# Altium PCB SectionE_BreakOut.PcbDoc
Units mm, origin at the board's own origin, x right, y up, seen from the top; angles counter-clockwise.
Board outline 76.4 x 53.1 mm, 2 copper layers (Top Layer, Bottom Layer), stack 1.569 mm thick; 56 components, 43 nets, 172 pads, 22 vias.
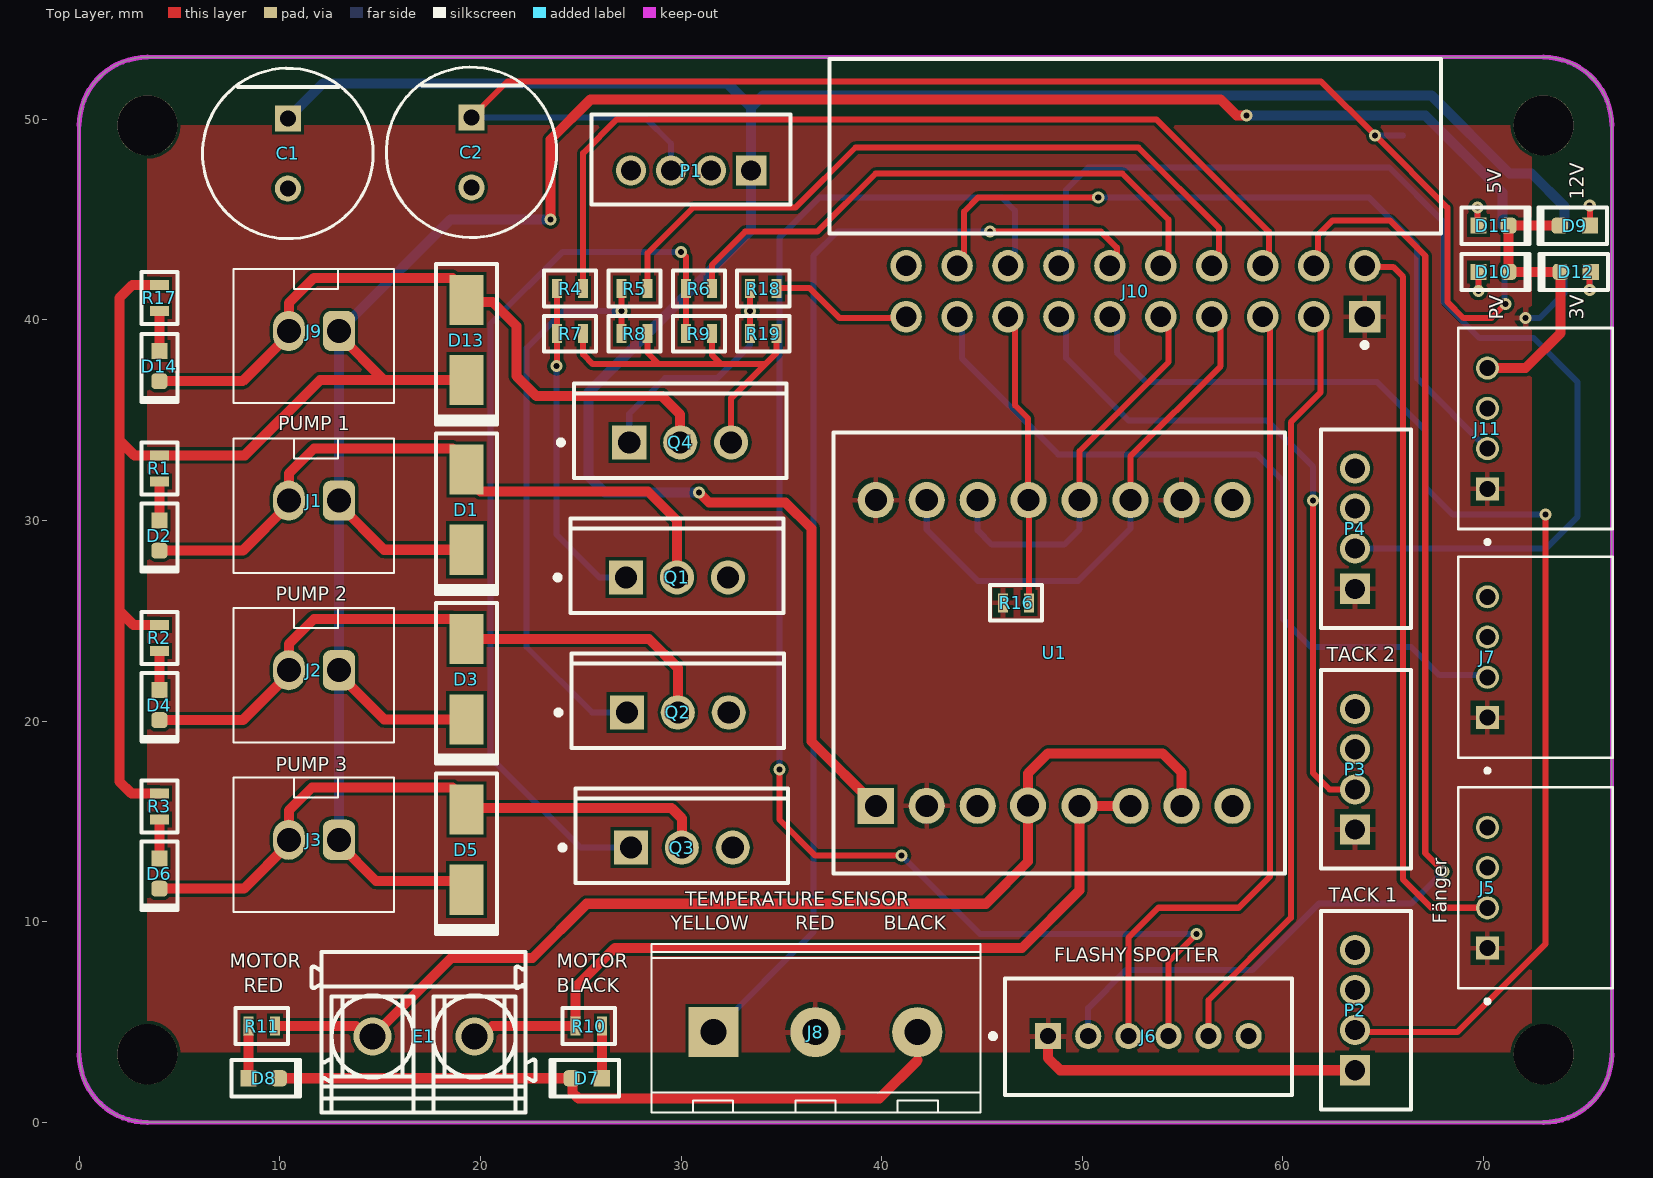
[diagram p0: Top Layer view]
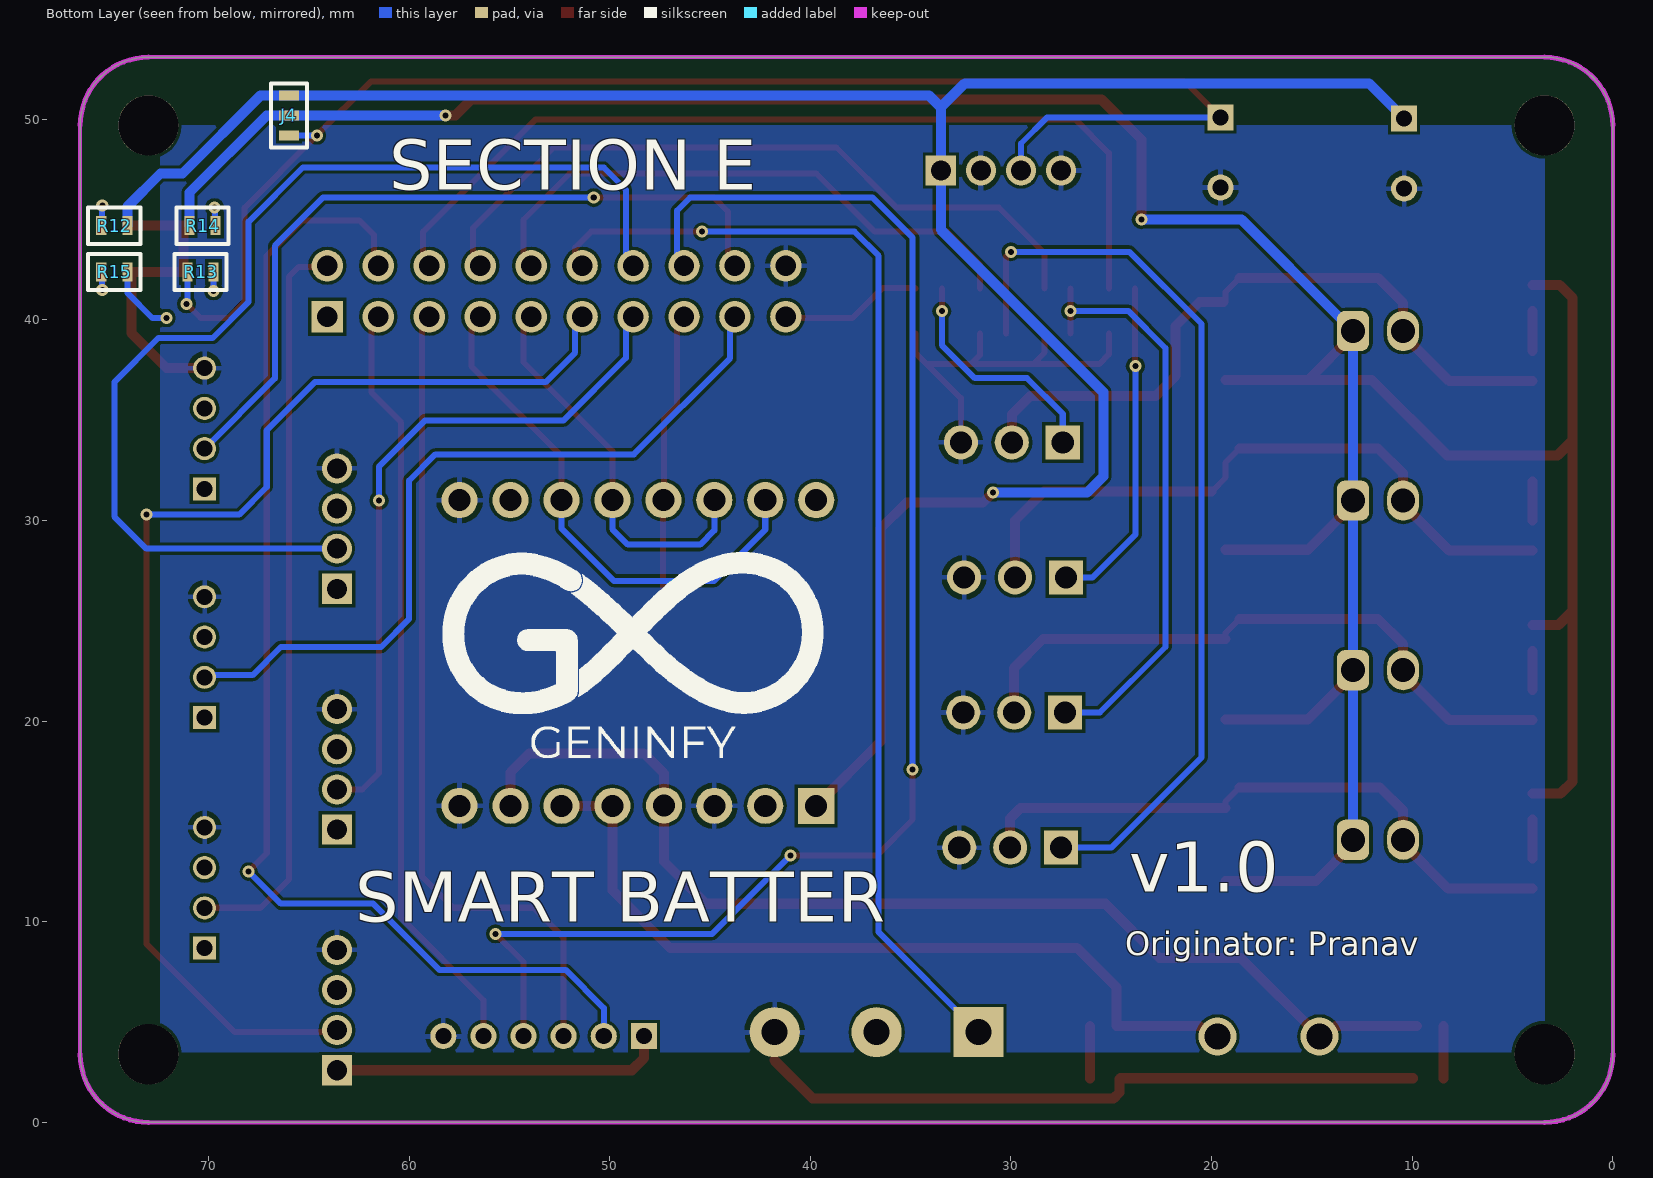
[diagram p1: Bottom Layer view, seen from below]

## Layer stack, top to bottom
Top Solder: solder mask 0.0254, SM-001, Dk 4
Top Layer: signal copper 0.035
Dielectric 1: core 1.4986, Core-043, Dk 4.3
Bottom Layer: signal copper 0.035
Bottom Solder: solder mask 0.0254, SM-001, Dk 4

## Board outline
0,3.4 0,49.7 cw(c3.4,49.7) 3.4,53.1 73,53.1 cw(c73,49.7) 76.4,49.7 76.4,3.4 cw(c73,3.4) 73,0 3.4,0 cw(c3.4,3.4)

## Design rules (kind name [scope] priority, off if disabled: settings)
Clearance [All] p1: gap=0.16 ignorepadtopadclearanceinfootprint=FALSE
HoleSize [All] p1: absolutevalues=TRUE maxlimit=4 minlimit=0.025 maxpercent=80.000 minpercent=20.000
MinimumSolderMaskSliver [All] p1: minsoldermaskwidth=0.09
PolygonConnect [All] p1: connectstyle=Relief reliefconductorwidth=0.254 reliefentries=4 polygonreliefangle="90 Angle" airgapwidth=0.254
RoutingVias [All] p1: holewidth=0.711 width=1.27 viastyle="Through Hole" minholewidth=0.711 minwidth=1.27 maxholewidth=0.711 maxwidth=1.27
SilkToSilkClearance [All] p1: silktosilkclearance=0.16
SilkToSolderMaskClearance [IsPad] p1: minsilkscreentomaskgap=0.16 clearancetoexposedcopper=TRUE
SolderMaskExpansion [All] p1: expansion=0.102 istentingtop=FALSE
Width [All] p1: maxlimit=1 minlimit=0.16 preferedwidth=0.3
26 further rules are at their usual default settings.

## Components (designator, comment, footprint, x,y, rotation, side; value= is the part's Value field where it differs from the comment)
C1 "EEU-FC1V221L" FP-EEU-FC1V221L-MFG#1 10.4,48.3 r270 top value=220uF
C2 "EEU-FC1V221L" FP-EEU-FC1V221L-MFG#2 19.554,48.354 r270 top value=220uF
D1 "1N4007" "M7 1N4007 SMA" 19.3,30.546 r270 top
D2 "LED - Orange" LED0603-Orange 4,29.25 r90 top
D3 "1N4007" "M7 1N4007 SMA" 19.3,22.091 r270 top
D4 "LED - Orange" LED0603-Orange 4,20.8 r90 top
D5 "1N4007" "M7 1N4007 SMA" 19.3,13.6 r270 top
D6 "LED - Orange" LED0603-Orange 4,12.4 r90 top
D7 "LED - Orange" LED0603-Orange 25.3,2.2 r0 top
D8 "LED - Orange" LED0603-Orange 9.2,2.2 r180 top
D9 "LED - Orange" LED0603-Orange 74.554,44.7 r0 top
D10 "LED - Orange" LED0603-Orange 70.5,42.4 r180 top
D11 "LED - Orange" LED0603-Orange 70.5,44.7 r180 top
D12 "LED - Orange" LED0603-Orange 74.6,42.4 r0 top
D13 "1N4007" "M7 1N4007 SMA" 19.3,39 r270 top
D14 "LED - Orange" LED0603-Orange 4,37.7 r90 top
E1 "1760490000" PM_5_08_90_02 17.166,4.483 r0 top
J1 "JST-XH 2P" "JST-XH 2P" 11.7,30.996 r0 top
J2 "JST-XH 2P" "JST-XH 2P" 11.7,22.541 r0 top
J3 "JST-XH 2P" "JST-XH 2P" 11.7,14.087 r0 top
J4 "Solder Jumper" "Solder Jumper" 66,50.2 r270 bottom
J5 "440055-4" TE_440055-4 70.2,8.684 r90 top
J6 "1735446-6" FP-1735446-6-MFG 53.3,4.27 r180 top
J7 "440055-4" TE_440055-4 70.2,20.181 r90 top
J8 "Screw Terminal" "Screw Terminal 3P 5.08MM" 36.7,4.5 r0 top
J9 "JST-XH 2P" "JST-XH 2P" 11.7,39.45 r0 top
J10 "SFH11-PBPC-D10-RA-BK" FP-SFH11-PBPC-D10-RA-BK-MFG 52.65,48.55 r180 top
J11 "440055-4" TE_440055-4 70.2,31.58 r90 top
P1 "B4B-PH-K-S(LF)(SN)" JST-B4B-PH-K-S_V 30.5,48 r180 top
P2 "B4B-PH-K-S(LF)(SN)" JST-B4B-PH-K-S_V 64.15,5.6 r90 top
P3 "B4B-PH-K-S(LF)(SN)" JST-B4B-PH-K-S_V 64.15,17.6 r90 top
P4 "B4B-PH-K-S(LF)(SN)" JST-B4B-PH-K-S_V 64.15,29.6 r90 top
Q1 "IRF540" VISH-TO-220AB-3_A 29.8,27.167 r90 top
Q2 "IRF540" VISH-TO-220AB-3_A 29.84,20.433 r90 top
Q3 "IRF540" VISH-TO-220AB-3_A 30.04,13.7 r90 top
Q4 "IRF540" VISH-TO-220AB-3_A 29.96,33.9 r90 top
R1 "68R" "68R 0603" 4,32.604 r90 top
R2 "68R" "68R 0603" 4,24.154 r90 top
R3 "68R" "68R 0603" 4,15.754 r90 top
R4 "1k" "R0603 1k" 24.467,41.561 r180 top
R5 "1k" "R0603 1k" 27.678,41.561 r180 top
R6 "1k" "R0603 1k" 30.889,41.561 r180 top
R7 "1k" "R0603 1k" 24.467,39.317 r0 top
R8 "1k" "R0603 1k" 27.678,39.317 r0 top
R9 "1k" "R0603 1k" 30.889,39.317 r0 top
R10 "68R" "68R 0603" 25.4,4.8 r180 top
R11 "68R" "68R 0603" 9.1,4.8 r0 top
R12 "68R" "68R 0603" 74.7,44.7 r180 bottom
R13 "68R" "68R 0603" 70.4,42.4 r0 bottom
R14 "68R" "68R 0603" 70.3,44.7 r0 bottom
R15 "68R" "68R 0603" 74.7,42.4 r180 bottom
R16 "1k" "R0603 1k" 46.7,25.9 r180 top
R17 "68R" "68R 0603" 4,41.1 r90 top
R18 "1k" "R0603 1k" 34.1,41.561 r180 top
R19 "1k" "R0603 1k" 34.1,39.317 r0 top
U1 "Female Headers" TB6612FNG 48.6,23.4 r90 top

## Footprints (in the part's own frame and the unit in brackets; to place one, negate y for a bottom-side part, rotate by r counter-clockwise, add the part's x,y. Pads: shape width x height; smd on the part's side, far side on the other; paste and mask are expansions set on the pad)
"68R 0603" [mm]
  rect 0.5x0.95 smd: 1(-0.65,0) 2(0.65,0)
  silkscreen extent -1.3,-0.9 1.3,0.9, body extent -0.8,-0.4 0.8,0.4, height 0.45
FP-1735446-6-MFG [mm]
  rect 1.3x1.3 hole 0.8 paste-1000 mask+0: 1(5,-0.03)
  round 1.3 hole 0.8 paste-1000 mask+0: 2(3,-0.03) 3(1,-0.03) 4(-1,-0.03) 5(-3,-0.03) 6(-5,-0.03)
  silkscreen extent -7.15,-2.9 7.87,2.9, body extent -7.25,-3 7.25,3, height 0.25
FP-EEU-FC1V221L-MFG#1 [mm]
  rect 1.3x1.3 hole 0.8 paste-1000 mask+0: 1(-1.75,0)
  round 1.3 hole 0.8 paste-1000 mask+0: 2(1.75,0)
  silkscreen extent -4.25,-4.25 4.25,4.25, body extent -4.35,-4.35 4.35,4.35, height 0.25
FP-EEU-FC1V221L-MFG#2 [mm]
  rect 1.3x1.3 hole 0.8: 1(-1.75,0)
  round 1.3 hole 0.8: 2(1.75,0)
  silkscreen extent -4.25,-4.25 4.25,4.25, body extent -4.35,-4.35 4.35,4.35, height 0.25
FP-SFH11-PBPC-D10-RA-BK-MFG [mm]
  rect 1.57x1.57 hole 1.02 paste-1000 mask+0: 1(-11.43,8.39)
  round 1.57 hole 1.02 paste-1000 mask+0: 2(-11.43,5.85) 3(-8.89,8.39) 4(-8.89,5.85) 5(-6.35,8.39) 6(-6.35,5.85) 7(-3.81,8.39) 8(-3.81,5.85) 9(-1.27,8.39) 10(-1.27,5.85) 11(1.27,8.39) 12(1.27,5.85) 13(3.81,8.39) 14(3.81,5.85) 15(6.35,8.39) 16(6.35,5.85) 17(8.89,8.39) 18(8.89,5.85) 19(11.43,8.39) 20(11.43,5.85)
  silkscreen extent -15.24,-4.45 15.24,9.92, body extent -15.34,-4.55 15.34,9.28, height 0.25
JST-B4B-PH-K-S_V [mm] "Connector, 4-Leads, Body 9.9x4.5mm, Pitch 2mm"
  rect 1.5x1.5 hole 1: 1(-3,0.55)
  round 1.5 hole 1: 2(-1,0.55) 3(1,0.55) 4(3,0.55)
  silkscreen extent -4.95,-2.25 4.95,2.25, body extent -4.95,-2.25 4.95,2.25, height 6
"JST-XH 2P" [mm]
  rrect50% 1.6x2 hole 1.2: 1(1.25,0)
  oval 1.6x2 hole 1.2: 2(-1.25,0)
  silkscreen extent -4,-3.6 4,3.1, body extent -3.7,-3.3 3.7,2.8, height 7.01
LED0603-Orange [mm]
  rrect50% 0.8x0.8 smd: 1(-0.75,0)
  rect 0.8x0.8 smd: 2(0.75,0)
  silkscreen extent -1.8,-0.9 1.6,1, body extent -0.8,-0.4 0.8,0.4, height 0.7
"M7 1N4007 SMA" [mm]
  rect 2.5x1.7 smd: 1(-2,0) 2(2,0)
  silkscreen extent -3.8,-1.6 4.2,1.52, body extent -2.6,-1.3 2.6,1.3, height 2.42
PM_5_08_90_02 [mm] "PM 5.08/02/90 3.5"
  round 1.9 hole 1.3: A1(-2.54,-0.2) A2(2.54,-0.2)
  silkscreen extent -5.58,-4 5.58,4, body extent -5.58,-4 5.58,4, height 10.01
"R0603 1k" [mm]
  rect 0.5x0.95 smd: 1(-0.65,0) 2(0.65,0)
  silkscreen extent -1.3,-0.9 1.3,0.89, body extent -0.8,-0.4 0.8,0.4, height 0.45
"Screw Terminal 3P 5.08MM" [mm]
  rect 2.5x2.5 hole 1.3: 1(-5.08,0)
  round 2.5 hole 1.3: 2(0,0) 3(5.08,0)
  silkscreen extent -8.18,-4 8.22,4.4, body extent -8.12,-3.8 8.12,4.2, height 10.01
"Solder Jumper" [mm]
  rect 0.5x1 smd: 1(-1,0) 2(0,0) 3(1,0)
  silkscreen extent -1.6,-0.9 1.6,0.9
TB6612FNG [mm]
  rect 1.8x1.8 hole 1.1: 1(-7.62,8.89)
  round 1.8 hole 1.1: 2(-7.62,6.35) 3(-7.62,3.81) 4(-7.6,1.3) 5(-7.62,-1.27) 6(-7.62,-3.81) 7(-7.62,-6.35) 8(-7.62,-8.89) 9(7.62,-8.89) 10(7.62,-6.35) 11(7.62,-3.81) 12(7.62,-1.27) 13(7.62,1.27) 14(7.62,3.81) 15(7.62,6.35) 16(7.62,8.89)
  silkscreen extent -11,-11.5 11,11, body extent -10.35,-10.69 10.55,10.29, height 13.55
TE_440055-4 [mm]
  rect 1.15x1.15 hole 0.8: 1(0,0)
  round 1.15 hole 0.8: 2(2.007,0) 3(4.013,0) 4(6.02,0)
  silkscreen extent -2.75,-6.25 8.02,1.45
VISH-TO-220AB-3_A [mm] "FM, 3-Leads, Body 10.55x4.65mm, Pitch 2.54mm"
  rect 1.7x1.7 hole 1.1: 1(0,2.54)
  round 1.7 hole 1.1: 2(0,0) 3(0,-2.54)
  silkscreen extent -1.77,-5.3 2.94,6.07, body extent -1.74,-5.28 2.91,5.28, height 19.31

## Part data
C1 C2: library part CMP-05427-000010-1, "CAP ALUM 220UF 20% 35V RADIAL", Capacitance=220uF, Leakage Current=77uA, Manufacturer="Panasonic Electronic Components", Package=0, Ripple Current=730mA, Temperature="-55°C to +105°C", Temperature Range High=+105°C, Temperature Range Low=-55°C, Tolerance=20%, Voltage Rating=35V, Automotive=Yes, Automotive Grade="Grade 2", Category=Cap, ComponentLink2Description=Datasheet, ComponentLink2URL=https://industrial.panasonic.com/cdbs/www-data/pdf/RDF0000/ABA0000C1209.pdf, Device Class L1="Passive Components", Device Class L2=Capacitors, Device Class L3="Aluminum Electrolytic Capacitors", Digikey Description="CAP ALUM 220UF 20% 35V RADIAL", Dissipation Factor=12%, Esr=0.085Ω, Height=16.5mm, Lead Free=Yes, Life=2000Hours, Manufacturer Part Number=EEU-FC1V221L, Material=Aluminum, Mouser Description="Capacitor; Aluminum Electrolytic; Fc Radial Elec Cap 220uF 35V", Octopart=https://octopart.com/eeu-fc1v221l-panasonic-39478519, RoHS=TRUE
D1 D3 D5 D13: library part 1N4007FLTR, "1000V 1A Rectifier", Manufacturer="Sangdest Microelectronics", Supplier Part Number 1=1655-1N4007FLCT-ND, Manufacturer Part Number=1N4007FLTR, Pricing 1="1=0.10000, 10=0.06600, 100=0.03120, 500=0.01848, 1000=0.01241 (USD)", RoHS=No, Stock 1=2517, Supplier 1=Digi-Key
D2 D4 D6 D7 D8 D9 D10 D11 D12 D14: library part LTST-C191KFKT, "LED ORANGE CLEAR SMD", Case Code (Imperial)=0603, Case Code (Metric)=1608, Color=Orange, Forward Current=30mA, Forward Voltage=2V, Lens Color=Colorless, Manufacturer="Vishay Lite-On", Max Operating Temperature=85°C, Min Operating Temperature=-55°C, Package Quantity=1, Power Dissipation=75mW, Reverse Voltage=5V, Supplier Part Number 1=160-1445-1-ND, Test Current=20mA, Case/Package=0603, Category=LEDs, ComponentLink1Description=https://datasheet.ciiva.com/2109/ltst-c191kfkt-2109968.pdf?src-supplier=Digi-Key, ComponentLink1URL=https://datasheet.ciiva.com/2109/ltst-c191kfkt-2109968.pdf?src-supplier=Digi-Key, ComponentLink2Description=https://datasheet.ciiva.com/12400/100-ltst-c191kfkt-39904-12400811.pdf?src-supplier=Mouser, ComponentLink2URL=https://datasheet.ciiva.com/12400/100-ltst-c191kfkt-39904-12400811.pdf?src-supplier=Mouser, ComponentLink3Description=https://datasheet.ciiva.com/11775/0900766b80dc02b0-11775613.pdf?src-supplier=RSComponents, ComponentLink3URL=https://datasheet.ciiva.com/11775/0900766b80dc02b0-11775613.pdf?src-supplier=RSComponents, ComponentLink4Description=https://datasheet.ciiva.com/15201/getdatasheetpartid-631075-15201391.pdf?src-supplier=Verical, ComponentLink4URL=https://datasheet.ciiva.com/15201/getdatasheetpartid-631075-15201391.pdf?src-supplier=Verical, ComponentLink5Description=https://datasheet.ciiva.com/2109/s-110-ltst-c191kfkt-2109969.pdf?src-supplier=Digi-Key, ComponentLink5URL=https://datasheet.ciiva.com/2109/s-110-ltst-c191kfkt-2109969.pdf?src-supplier=Digi-Key, Depth=0.8mm, Dominant Wavelength=605nm, Height=0.55mm, Illumination Color=Orange, Lead Free="Lead Free", Length=1.6mm, Lens Style=Diffused,Colorless,Rectangular, Lens Transparency=Clear, Luminous Intensity=90mcd, Manufacturer Part Number=LTST-C191KFKT, Mount="Surface Mount", Number of Elements=1, Number of LEDs=1, Number of Pins=2, Packaging="Tape and Reel", Power Rating=75mW, Pricing 1="1=0.24000, 10=0.17900, 100=0.08460, 500=0.05640, 1000=0.04418, 2500=0.04324 (USD)", Radiation Hardening=No, RoHS=Yes, Stock 1=92562, Supplier 1=Digi-Key, Viewing Angle=130°, Wavelength=611nm, Width=0.8mm
E1: library part CMP-1559-01627-1, "OMNIMATE Signal - series PM", Colour=Orange, Manufacturer=Weidmueller, Rated_current_use_group_B_UL_1059="15 A", Rated_voltage_for_surge_voltage_class_pollution_degree_II_2="600 V", Rated_voltage_use_group_B_UL_1059="300 V", UL_94_flammability_rating=V-0, ComponentLink1Description="Manufacturer URL", ComponentLink1URL=http://www.weidmueller.com/, ComponentLink2Description="URL Link1", ComponentLink2URL=http://catalog.weidmueller.com/catalog/Start.do?localeId=en&ObjectID=1760490000, Contact_material=Cu-Leg, Contact_surface=tinned, Insulating_material="Wemid (PA)", Mounting_onto_the_PCB="Solder connection", No_of_poles=2, PackageReference=PM_5_08_90_02, Packaging=Box, PartNumber=1760490000, Pitch_inch="0,2 inch", Pitch_mm="5,08 mm", Qty="500 PCS", Revision=V1, Short_text_for_material="PM 5.08/02/90 3.5SN OR BX", Side_termination_characteristic="closed side", Solder_pin_length_mm="3,5 mm", Solid_max_H05_07_V_U="2,5 mm²", Solid_min_H05_07_V_U="0,13 mm²", Wire_cross_section_AWG_max_UL_1059="AWG 14", Wire_cross_section_AWG_min_UL_1059="AWG 26"
J1 J2 J3 J9: library part B2B-XH-A(LF)(SN), "JST-XH 2 POS 2.5mm Solder ST Thru-Hole Box", Color=Natural, Contact Resistance=20mR, Current Rating=3A, Housing Color=White, Insulation Resistance=1GR, Manufacturer=JST, Max Operating Temperature=85°C, Max Voltage Rating (AC)=250V, Min Operating Temperature=-25°C, Supplier Part Number 1=1516276, Category="FFC / FPC", ComponentLink1Description=https://datasheet.ciiva.com/26894/getdatasheetpartid-640357-26894434.pdf?src-supplier=Verical, ComponentLink1URL=https://datasheet.ciiva.com/26894/getdatasheetpartid-640357-26894434.pdf?src-supplier=Verical, ComponentLink2Description=https://datasheet.ciiva.com/11746/0900766b8082653e-11746979.pdf?src-supplier=RSComponents, ComponentLink2URL=https://datasheet.ciiva.com/11746/0900766b8082653e-11746979.pdf?src-supplier=RSComponents, ComponentLink3Description=https://datasheet.ciiva.com/26894/getdatasheetpartid-385291-26894760.pdf?src-supplier=Verical, ComponentLink3URL=https://datasheet.ciiva.com/26894/getdatasheetpartid-385291-26894760.pdf?src-supplier=Verical, ComponentLink4Description=https://datasheet.ciiva.com/8052/5448-8052024.pdf?src-supplier=Element14, ComponentLink4URL=https://datasheet.ciiva.com/8052/5448-8052024.pdf?src-supplier=Element14, ComponentLink5Description=https://datasheet.ciiva.com/20207/523653-20207167.pdf?src-supplier=Rapid+Electronics, ComponentLink5URL=https://datasheet.ciiva.com/20207/523653-20207167.pdf?src-supplier=Rapid+Electronics, Connector Type="Male Pin", Contact Material=Brass, Contact Plating=Tin,Copper,Lead, Depth=5.75mm, Fastening Type=Detent, Housing Material=Polyamide, Lead Free="Lead Free", Lead Pitch=2.5mm, Length=7.4mm, Manufacturer Part Number=B2B-XH-A(LF)(SN), Max Current Rating=3A, Max Voltage Rating (DC)=250V, Mount="Through Hole", Number Of Contacts=2, Number of Positions=2, Number Of Rows=1, Orientation=Straight, Packaging=Bulk, Pitch=2.5mm, REACH SVHC="No SVHC", RoHS=Yes, Stock 1=165899, Supplier 1=Element14, Termination=Solder, Voltage Rating=250V, Voltage Rating (AC)=250V, Wire/Cable Gauge=22AWG
J5 J7 J11: "2.0MM,HDR,4POS,R/A", Package=None, Availability=Unavailable, Centerline_Pitch="2 mm[.079 in]", DigiKey-Purchase-URL=https://snapeda.com/shop?store=DigiKey&id=2374829, EU_RoHS_Compliance=Compliant, MF="TE Connectivity", Mouser-Purchase-URL=https://snapeda.com/shop?store=Mouser&id=2374829, MP=440055-4, Number_of_Positions=4, Price=None, Product_Type=Connector, SnapEDA_Link=https://www.snapeda.com/parts/440055-4/TE%20Connectivity%20AMP%20Connectors/view-part/2374829/?ref=snap
J6: library part CMP-03369-000087-1, "CONN HEADER VERT 6POS 2MM", Current Rating=3A, Manufacturer=TE, Temperature="-25°C to +85°C", Temperature Range High=+85°C, Temperature Range Low=-25°C, Voltage Rating=100V, Automotive=No, Category=Conn, ComponentLink2Description=Datasheet, ComponentLink2URL=https://www.te.com/usa-en/product-1735446-6.html, Conn Gender=Male, Conn Orientation=Vertical, Contact Material=Tin,Nickel, Device Class L1=Connectors, Device Class L2="Headers and Wire Housings", Device Class L3=unset, Digikey Description="CONN HEADER VERT 6POS 2MM", Height=6.37mm, Lead Free=Yes, Manufacturer Part Number=1735446-6, Mouser Description="Headers & Wire Housings 6 POS HDR VERT 2.0mm", Number Of Contacts=6, Number Of Rows=1, Octopart=https://octopart.com/1735446-6-te+connectivity-42205942, Package=1735446-6, Pitch=2mm, RoHS=TRUE
J8: library part OSTTC032162, "TERM BLK 3P SIDE ENT 5.08MM PCB", Color=Blue, Current=15A, Flammability Rating="UL94 V-0", Manufacturer="On-Shore Technology", Max Operating Temperature=105°C, Min Operating Temperature=-30°C, Supplier Part Number 1=ED2610-ND, Voltage=300V, Category="Terminal Blocks", ComponentLink1Description=https://datasheet.ciiva.com/823/osttcxx2162-823568.pdf?src-supplier=Digi-Key, ComponentLink1URL=https://datasheet.ciiva.com/823/osttcxx2162-823568.pdf?src-supplier=Digi-Key, ComponentLink2Description=https://datasheet.ciiva.com/19458/2120655-19458972.pdf?src-supplier=Jameco, ComponentLink2URL=https://datasheet.ciiva.com/19458/2120655-19458972.pdf?src-supplier=Jameco, Contact Material=Brass, Contact Plating=Tin, Height=10mm, Housing Color=Blue, Housing Material=Thermoplastic, Lead Free="Lead Free", Length=15.2mm, Manufacturer Part Number=OSTTC032162, Max Current Rating=15A, Mount="Through Hole", Number Of Contacts=3, Number of Levels=1, Number of Positions=3, Number of Positions Per Level=3, Number Of Rows=1, Packaging=Bulk, Pitch=0.2inch, Plating=Steel, Pricing 1="1=0.85000, 10=0.53000, 25=0.45400, 50=0.40800, 100=0.39950, 250=0.34000, 500=0.32300, 1000=0.28900, 5000=0.22610 (USD)", RoHS=Yes, Stock 1=3645, Supplier 1=Digi-Key, Termination=Screw, Width=7.6mm, Wire Gauge (Max)=22AWG, Wire Gauge (Min)=14AWG
J10: library part CMP-25680-000003-1, "CONN HDR 20POS 0.1 GOLD PCB R/A", Current Rating=3A, Manufacturer=Sullins, Temperature="-40°C to +105°C", Temperature Range High=+105°C, Temperature Range Low=-40°C, Automotive=No, Category=Conn, ComponentLink2Description=Datasheet, ComponentLink2URL=https://s3.amazonaws.com/catalogspreads-pdf/PAGE123%20.100%20SFH11%20SERIES%20FEMALE%20HDR%20ST%20RA.pdf, Conn Gender=Female, Conn Orientation="Right Angle", Contact Material=Gold,Nickel, Device Class L1=Connectors, Device Class L2="Headers and Wire Housings", Device Class L3=unset, Digikey Description="CONN HDR 20POS 0.1 GOLD PCB R/A", Footprint Url=https://drawings-pdf.s3.amazonaws.com/11161.pdf, Height=7.2mm, Is Female=yes, Lead Free=Yes, Manufacturer Part Number=SFH11-PBPC-D10-RA-BK, Number Of Contacts=20, Number Of Rows=2, Octopart=https://octopart.com/sfh11-pbpc-d10-ra-bk-sullins-12270496, Package=SFH11-PBPC-D10-RA-BK, Pitch=2.54mm, RoHS=TRUE
P1 P2 P3 P4: library part CMP-2000-05165-1, "Male Header, Pitch 2 mm, 1 x 4 Position, Height 6 mm, Tail Length 3.4 mm, -25 to 85 degC, RoHS, Bulk", Manufacturer=JST, Datasheet URL=http://datasheet.octopart.com/B4B-PH-K-S%28LF%29%28SN%29-JST-datasheet-10558886.pdf, Datasheet Version=Apr-09, Manufacturer URL=http://www.jst.com/home2.html, No of Positions=4, Pitch=2mm, Style/Orientation=StraightHeader/Plug, Termination=Crimp, Type=ShroudedHeader
Q1 Q2 Q3 Q4: library part CMP-2000-06461-1, "Power MOSFET, 100 VDS, -55 to 175 degC, 3-Pin TO-220AB, RoHS, Tube", Id - Continuous Drain Current=28A, Manufacturer=Vishay, Maximum Operating Temperature=+175C, Minimum Operating Temperature=-55C, Package / Case=TO-220-3, Package Description="3-Pin Flange Mount, Body 10.275 x 4.45 mm, Pitch 2.54 mm", Package Reference=TO-220AB-3, Pd - Power Dissipation=150W, Rds On - Drain-Source Resistance=77mOhms, Vds - Drain-Source Breakdown Voltage=100V, Vgs - Gate-Source Voltage=20V, &lt;PCN&gt;=http://www.mouser.com/PCN/Vishay_SIL_0182015.pdf, Brand=VishaySemiconductors, Channel Mode=Enhancement, Configuration=Single, Datasheet URL=http://www.vishay.com/docs/91021/91021.pdf, Datasheet Version="Rev. B, 03/2011", Factory Pack Quantity=50, Fall Time=43ns, Height=9.01mm, Length=10.51mm, Manufacturer URL=http://www.vishay.com/, Mounting Style=ThroughHole, Mounting Technology=ThroughHole, Number of Channels=1Channel, Package URL=http://www.vishay.com/docs/71195/to220ab.pdf, Packaging=Tube, Product Category=MOSFET, Rise Time=44ns, RoHS=NoRoHSVersionAvailable, Technology=Si, Transistor Polarity=N-Channel, Transistor Type=1N-Channel, Typical Turn-Off Delay Time=53ns, Typical Turn-On Delay Time=11ns, Unit Weight=0.211644oz, Width=4.7mm
R1 R2 R3 R10 R11 R12 R13 R14 R15 R17: library part CRGP0603F68R, "CRGP 0603 68R 1%", Case Code (Imperial)=0603, Case Code (Metric)=1608, Manufacturer="TE Connectivity", Max Operating Temperature=155°C, Max Power Dissipation=250mW, Min Operating Temperature=-55°C, Resistor Type="Thick Film", Supplier Part Number 1=A130402CT-ND, Temperature Coefficient=200ppm/°C, Tolerance=1%, Case/Package=0603, Category="Chip SMD Resistors", ComponentLink1Description=https://www.te.com/commerce/DocumentDelivery/DDEController?Action=srchrtrv&amp;DocNm=9-1773463-9&amp;DocType=DS&amp;DocLang=English&src-supplier=Digi-Key, ComponentLink1URL=https://www.te.com/commerce/DocumentDelivery/DDEController?Action=srchrtrv&amp;DocNm=9-1773463-9&amp;DocType=DS&amp;DocLang=English&src-supplier=Digi-Key, Manufacturer Part Number=CRGP0603F68R, Number of Terminations=2, Packaging="Tape and Reel", Pricing 1="1=0.14000, 10=0.11400, 100=0.04470, 1000=0.01870, 2500=0.01714 (USD)", Resistance=68R, RoHS=No, Stock 1=49308, Supplier 1=Digi-Key
R4 R5 R6 R7 R8 R9 R16 R18 R19: library part CRGCQ0603F1K0, "0603 1k Ohm 1% 1/10W", Case Code (Imperial)=0603, Case Code (Metric)=1608, Manufacturer="TE Connectivity", Max Operating Temperature=155°C, Max Power Dissipation=100mW, Min Operating Temperature=-55°C, Resistance=1kR, Resistor Type="Thick Film", Supplier Part Number 1=A129688CT-ND, Temperature Coefficient=100ppm/°C, Tolerance=1%, Case/Package=0603, Category="Chip SMD Resistors", ComponentLink1Description=https://www.te.com/commerce/DocumentDelivery/DDEController?Action=srchrtrv&DocNm=1773204-3&DocType=DS&DocLang=English&src-supplier=Digi-Key, ComponentLink1URL=https://www.te.com/commerce/DocumentDelivery/DDEController?Action=srchrtrv&DocNm=1773204-3&DocType=DS&DocLang=English&src-supplier=Digi-Key, ComponentLink2Description=https://4donline.ihs.com/images/VipMasterIC/IC/TYEL/TYEL-S-A0004929575/TYEL-S-A0004929575-1.pdf?hkey=52A5661711E402568146F3353EA87419&src-supplier=Farnell, ComponentLink2URL=https://4donline.ihs.com/images/VipMasterIC/IC/TYEL/TYEL-S-A0004929575/TYEL-S-A0004929575-1.pdf?hkey=52A5661711E402568146F3353EA87419&src-supplier=Farnell, ComponentLink3Description=https://www.te.com/commerce/DocumentDelivery/DDEController?Action=srchrtrv&amp;DocNm=1773204-3&amp;DocType=DS&amp;DocLang=English&src-supplier=Digi-Key, ComponentLink3URL=https://www.te.com/commerce/DocumentDelivery/DDEController?Action=srchrtrv&amp;DocNm=1773204-3&amp;DocType=DS&amp;DocLang=English&src-supplier=Digi-Key, ComponentLink4Description=https://4donline.ihs.com/images/VipMasterIC/IC/TYEL/TYEL-S-A0004929575/TYEL-S-A0004929575-1.pdf?hkey=52A5661711E402568146F3353EA87419&src-supplier=Element14, ComponentLink4URL=https://4donline.ihs.com/images/VipMasterIC/IC/TYEL/TYEL-S-A0004929575/TYEL-S-A0004929575-1.pdf?hkey=52A5661711E402568146F3353EA87419&src-supplier=Element14, ComponentLink5Description=https://4donline.ihs.com/images/VipMasterIC/IC/TYEL/TYEL-S-A0004929575/TYEL-S-A0004929575-1.pdf?hkey=52A5661711E402568146F3353EA87419&src-supplier=Newark, ComponentLink5URL=https://4donline.ihs.com/images/VipMasterIC/IC/TYEL/TYEL-S-A0004929575/TYEL-S-A0004929575-1.pdf?hkey=52A5661711E402568146F3353EA87419&src-supplier=Newark, Features="Moisture Resistant,Automotive AEC-Q200", Manufacturer Part Number=CRGCQ0603F1K0, Number of Terminations=2, Packaging="Cut Tape", Pricing 1="1=0.10000, 10=0.02700, 100=0.01090, 1000=0.00490, 2500=0.00426 (USD)", RoHS=No, Stock 1=37973, Supplier 1=Digi-Key
U1: library part "TB6612FNG Female", "Motor Driver"

## Free pads (board coordinates)
  round 3 hole 3 unplated: ""(3.4,3.4) ""(3.4,49.7) ""(73,3.4) ""(73,49.7)

## Via types
v1: diameter 0.6, hole 0.3, Top Layer to Bottom Layer, tented both sides, 22 vias

## Nets (pads, with @x,y where several pads share a name; then routed paths per layer and width w, separated by ;. In a path a pad name is that pad's centre, name@x,y a point inside that pad or via, vN(x,y) a via of type N, cw(c..) or ccw(c..) an arc to the next point about the centre after c; other vN are vias at no path point)
+3V3: J5.1 J6.1 J7.1 J8.2 J10.1 J11.1 P2.1 P3.1 P4.1 R15.2 R16.2 U1.2 U1.10 U1.16 | length 20.2
  Top Layer w0.5: J6.1 48.3,3.2 48.9,2.6 P2.1
  Bottom Layer w0.3: v1(72.1,40.1) 72.8,40.1 74.05,41.35 R15.2
+5V: C2.1 J4.3 P1.3 R13.2 | length 75.1
  Top Layer w0.3: C2.1 21.35,51.9 61.9,51.9 v1(64.6,49.2) 68.2,45.6 68.2,40.9 69,40.1 70.4,40.1 v1(71.1,40.8)
  Bottom Layer w0.3: C2.1 28.196,50.104 29.5,48.8 P1.3 ; v1(64.6,49.2) J4.3 ; R13.2 71.05,40.85 v1(71.1,40.8)
+12V: C1.1 J4.1 P1.1 R12.2 U1.1 | length 117.5
  Top Layer w0.5: v1(30.9,31.4) 31.4,30.9 35.2,30.9 36.5,29.6 36.5,18.99 U1.1
  Bottom Layer w0.5: C1.1 12.15,51.8 32.3,51.8 33.5,50.6 ; v1(30.9,31.4) 26.2,31.4 25.4,32.2 25.4,36.4 33.5,44.5 P1.1 33.5,50.6 ; R12.2 74.05,45.65 72.4,47.3 71.3,47.3 67.4,51.2 J4.1 34.1,51.2 33.5,50.6
+PWR: D1.2 D3.2 D5.2 D13.2 J1.1 J2.1 J3.1 J4.2 J9.1 R1.2 R2.2 R3.2 R14.2 R17.2 | length 169.8
  Top Layer w0.3: J3.1@12.95,13.887 J3.1 ; J2.1@12.95,22.341 J2.1 ; J1.1@12.95,30.796 J1.1 ; J9.1@12.95,39.25 J9.1
  Top Layer w0.5: R3.2 2.596,16.404 2,17 2,25.5 ; R2.2 2.696,24.804 2,25.5 ; R17.2 2.65,41.75 2,41.1 2,34 ; J3.1@12.95,13.887 14.8,12.037 D5.2@19.3,12.037 ; J2.1@12.95,22.341 15.2,20.091 D3.2 ; J1.1@12.95,30.796 15.2,28.546 D1.2 ; J9.1@12.95,39.25 15.2,37 ; D13.2 15.2,37 ; v1(23.5,45) 23.5,49 25.5,51 56.9,51 57.7,50.2 v1(58.2,50.2) ; 2,25.5 2,34 ; 2,34 2.746,33.254 R1.2 8.254,33.254 12,37 15.2,37
  Bottom Layer w0.3: J9.1 12.95,39.515 13.581,40.146 J9.1@13.646,40.146
  Bottom Layer w0.5: J3.1 J2.1 J1.1 J9.1 ; J9.1@13.646,40.146 18.5,45 v1(23.5,45) ; v1(58.2,50.2) 67.1,50.2 70.95,46.35 R14.2
BLUE: J6.4 J10.16 | length 73.5
  Top Layer w0.3: v1(34.9,17.6) 34.9,15.1 36.7,13.3 v1(41,13.3) ; J6.4 54.3,8 v1(55.7,9.4)
  Bottom Layer w0.3: v1(34.9,17.6) 34.9,44.1 36.9,46.1 46,46.1 46.65,45.45 J10.16@46.65,42.65 ; v1(41,13.3) 44.9,9.4 v1(55.7,9.4)
CONTAINER: J6.5 J10.3 | length 38.1
  Top Layer w0.3: J6.5 56.3,6.1 60.4,10.2 60.4,34.9 61.89,36.39 J10.3@61.89,40.11
DROP: J10.7 U1.11 U1.15 | length 26.2
  Top Layer w0.3: U1.11 52.4,31.03 52.4,33.2 56.9,37.7 56.9,40.02 J10.7@56.81,40.11
  Bottom Layer w0.3: U1.15 42.25,29.55 44.8,27 49.8,27 52.41,29.61 U1.11
ENABLE: J10.15 R16.1 U1.13 | length 14.5
  Top Layer w0.3: J10.15@46.65,40.11 46.65,35.75 47.3,35.1 47.3,31.05 U1.13 47.34,31.01 47.34,25.91 R16.1
EXTRA_1: J7.2 J10.17 | length 38.8
  Bottom Layer w0.3: J10.17@43.869,40.05 J10.17@43.979,40.16 ; J10.17@44,40 44,38.1 48.8,33.3 58.7,33.3 60,32 60,25.1 61.4,23.7 66.4,23.7 67.8,22.3 J7.2@70.2,22.3
EXTRA_2: J10.18 J11.2 | length 38.2
  Top Layer w0.3: J10.18@44.11,42.65 44.11,45.41 44.8,46.1 v1(50.8,46.1)
  Bottom Layer w0.3: v1(50.8,46.1) 64.3,46.1 66.7,43.7 66.7,37.087 J11.2
GND: C1.2 C2.2 D7.1 D8.1 D9.1 D10.1 D11.1 D12.1 J5.4 J6.6 J7.4 J8.3 J10.20 J11.4 P1.2 P1.4 P2.4 P3.4 P4.4 Q1.3 Q2.3 Q3.3 Q4.3 R7.2 R8.2 R9.2 R19.2 U1.3 U1.8 U1.9 | length 70.1
  Top Layer w0.3: R7.2 25.117,38.283 25.6,37.8 28.9,37.8 ; R8.2 28.328,38.372 28.9,37.8 ; R9.2 31.539,38.261 32,37.8 ; Q4.3 32.5,36.1 34.2,37.8 ; R19.2 34.75,38.35 34.2,37.8 ; J8.3 41.8,4.48 41.8,3.1 ; D10.1@71.1,42.25 D10.1 ; 28.9,37.8 32,37.8 ; 32,37.8 34.2,37.8
  Top Layer w0.5: D8.1 D7.1 24.586,2.164 24.586,1.493 24.879,1.2 39.9,1.2 41.8,3.1 ; J11.4 72.1,37.6 73.85,39.35 D12.1 D10.1 D11.1 D9.1
GREEN: J6.3 J10.5 | length 41.1
  Top Layer w0.3: J6.3 52.3,9.2 53.8,10.7 57.8,10.7 59.35,12.25 J10.5@59.35,40.11
LID: J5.2 J10.2 | length 36.6
  Top Layer w0.3: J10.2@64.43,42.65 65.503,42.65 66,42.153 66,12.1 67.4,10.7 70.191,10.7 J5.2
LIFT: J10.9 U1.12 U1.14 | length 19.6
  Top Layer w0.3: U1.12 49.87,33.47 54.3,37.9 54.3,40.08 J10.9@54.27,40.11
  Bottom Layer w0.3: U1.14 44.79,29.51 45.5,28.8 49.1,28.8 49.87,29.57 U1.12
NetD1_1: D1.1 D2.1 J1.2 Q1.2 | length 33.6
  Top Layer w0.3: J1.2@10.45,30.796 J1.2 ; D1.1@18.6,33.6 19.3,32.9 D1.1 19.3,32.146 D1.1@20,31.446
  Top Layer w0.5: D2.1 8.154,28.5 J1.2@10.45,30.796 ; J1.2 10.45,32.35 11.7,33.6 D1.1@18.6,33.6 ; D1.1@20,31.446 28.354,31.446 29.8,30 Q1.2
NetD2_2: D2.2 R1.1 | length 2
  Top Layer w0.5: D2.2 R1.1
NetD3_1: D3.1 D4.1 J2.2 Q2.2 | length 32.2
  Top Layer w0.3: J2.2@10.45,22.341 J2.2 ; D3.1@18.6,25.1 19.3,24.4 D3.1 D3.1@19.309,24.1
  Top Layer w0.5: D4.1 8.159,20.05 J2.2@10.45,22.341 ; J2.2 10.45,23.85 11.7,25.1 D3.1@18.6,25.1 ; D3.1@19.309,24.1 28.4,24.1 29.84,22.66 Q2.2
NetD4_2: D4.2 R2.1 | length 2
  Top Layer w0.5: D4.2 R2.1
NetD5_1: D5.1 D6.1 J3.2 Q3.2 | length 31.4
  Top Layer w0.3: J3.2@10.45,13.887 J3.2 ; D5.1@18.6,16.7 19.3,16 D5.1@19.3,15.663
  Top Layer w0.5: D6.1 8.213,11.65 J3.2@10.45,13.887 ; J3.2 10.45,15.55 11.6,16.7 D5.1@18.6,16.7 ; D5.1@19.3,15.663 29.537,15.663 30.04,15.16 Q3.2
NetD6_2: D6.2 R3.1 | length 2
  Top Layer w0.5: D6.2 R3.1
NetD7_2: D7.2 R10.1 | length 2.6
  Top Layer w0.5: D7.2 R10.1
NetD8_2: D8.2 R11.1 | length 2.6
  Top Layer w0.5: D8.2 R11.1
NetD9_2: D9.2 R12.1 | length 2
  Top Layer w0.3: v1(75.3,45.7) 75.304,45.696 D9.2
  Bottom Layer w0.3: v1(75.3,45.7) 75.325,45.675 75.325,44.725 R12.1
NetD10_2: D10.2 R13.1 | length 2
  Top Layer w0.3: v1(69.75,41.45) D10.2
  Bottom Layer w0.3: v1(69.75,41.45) R13.1@69.75,42.49
NetD11_2: D11.2 R14.1 | length 1.8
  Top Layer w0.3: v1(69.7,45.6) 69.7,44.75 D11.2
  Bottom Layer w0.3: R14.1 69.675,44.725 69.675,45.575 v1(69.7,45.6)
NetD12_2: D12.2 R15.1 | length 1.8
  Top Layer w0.3: v1(75.3,41.5) 75.3,42.35 D12.2
  Bottom Layer w0.3: v1(75.3,41.5) 75.325,41.525 75.325,42.375 R15.1
NetD13_1: D13.1 D14.1 J9.2 Q4.2 | length 34.9
  Top Layer w0.3: J9.2@10.45,39.25 J9.2 ; D13.1@18.6,42.1 19.3,41.4 D13.1 D13.1@19.4,40.9
  Top Layer w0.5: D14.1 8.15,36.95 J9.2@10.45,39.25 ; J9.2 10.45,40.85 11.7,42.1 D13.1@18.6,42.1 ; D13.1@19.4,40.9 20.6,40.9 21.8,39.7 21.8,37.2 22.8,36.2 29.053,36.2 29.96,35.293 Q4.2
NetD14_2: D14.2 R17.1 | length 2
  Top Layer w0.5: D14.2 R17.1
NetE1_A1: E1.A1 R11.2 U1.4 U1.7 | length 55.9
  Top Layer w0.3: 13.8,4.8 14.317,4.283 E1.A1
  Top Layer w0.5: R11.2 13.8,4.8 ; E1.A1 18.543,8.2 22.6,8.2 25.3,10.9 45.2,10.9 47.3,13 U1.4 47.3,17.4 48.3,18.4 54,18.4 54.95,17.45 U1.7
NetE1_A2: E1.A2 R10.2 U1.5 U1.6 | length 41.1
  Top Layer w0.3: E1.A2 20.083,4.283 20.6,4.8
  Top Layer w0.5: 20.6,4.8 R10.2 24.75,6.75 26.7,8.7 47,8.7 49.87,11.57 U1.5 U1.6
NetQ1_1: Q1.1 R4.2 R7.1 | length 16.6
  Top Layer w0.3: v1(23.8,37.7) 23.809,37.709 23.809,39.309 R7.1 R4.2
  Bottom Layer w0.3: v1(23.8,37.7) 23.8,29.3 25.933,27.167 Q1.1
NetQ2_1: Q2.1 R5.2 R8.1 | length 29
  Top Layer w0.3: R8.1 v1(27.028,40.439) R5.2
  Bottom Layer w0.3: v1(27.028,40.439) 24.139,40.439 22.3,38.6 22.3,23.7 25.567,20.433 Q2.1
NetQ3_1: Q3.1 R6.2 R9.1 | length 45.6
  Top Layer w0.3: v1(30,43.4) 30.239,43.161 R6.2 R9.1
  Bottom Layer w0.3: Q3.1 25,13.7 20.5,18.2 20.5,39.8 24.1,43.4 v1(30,43.4)
NetQ4_1: Q4.1 R18.2 R19.1 | length 13.7
  Top Layer w0.3: R19.1 v1(33.45,40.439) R18.2
  Bottom Layer w0.3: Q4.1@28.049,34.529 Q4.1 27.42,35.32 29.2,37.1 31.8,37.1 33.45,38.75 v1(33.45,40.439)
PUMP_1: J10.6 R4.1 | length 45.7
  Top Layer w0.3: R4.1 25.117,48.317 26.8,50 53.7,50 59.3,44.4 59.3,42.7 J10.6@59.35,42.65
PUMP_2: J10.8 R5.1 | length 36
  Top Layer w0.3: R5.1 28.328,43.328 30.6,45.6 35.7,45.6 38.7,48.6 52.8,48.6 56.81,44.59 J10.8@56.81,42.65
PUMP_3: J10.10 R6.1 | length 29.1
  Top Layer w0.3: R6.1 31.539,42.739 33.2,44.4 36.8,44.4 39.7,47.3 52,47.3 54.3,45 54.3,42.68 J10.10@54.27,42.65
PUMP_4: J10.19 R18.1 | length 7.5
  Top Layer w0.3: R18.1 34.789,41.6 36.4,41.6 37.89,40.11 J10.19@41.57,40.11
RED: J6.2 J10.4 | length 60.9
  Top Layer w0.3: J10.4@61.759,42.7 61.759,44.24 62.469,44.95 65.35,44.95 67.1,43.2 67.1,13.419 68,12.519 v1(68,12.5)
  Bottom Layer w0.3: J6.2 50.3,5.7 52.2,7.6 58.5,7.6 61.8,10.9 66.4,10.9 v1(68,12.5)
SW1: J10.11 P2.2 | length 60.9
  Top Layer w0.3: P2.2 63.7,4.5 68.7,4.5 73.1,8.9 v1(73.1,30.3)
  Bottom Layer w0.3: J10.11@51.73,40.11 51.73,38.37 53.2,36.9 64.7,36.9 67.1,34.5 67.1,31.676 68.476,30.3 v1(73.1,30.3)
SW2: J10.13 P3.2 | length 34.3
  Top Layer w0.3: v1(61.5,31) 61.5,17.427 62.327,16.6 P3.2
  Bottom Layer w0.3: J10.13@49.19,40.11 49.19,38.11 52.3,35 59.2,35 61.5,32.7 v1(61.5,31)
SW3: J10.14 P4.2 | length 55
  Bottom Layer w0.3: J10.14@49.19,42.65 49.19,46.49 50.3,47.6 65.3,47.6 68,44.9 68,40.9 69.8,39.1 72.5,39.1 74.7,36.9 74.7,30.2 73.1,28.6 P4.2
TEMP: J8.1 J10.12 | length 57.7
  Top Layer w0.3: v1(45.4,44.4) 50.933,44.4 51.73,43.603 J10.12@51.73,42.65
  Bottom Layer w0.3: J8.1 36.6,9.48 36.6,43.2 37.8,44.4 v1(45.4,44.4) ; J10.12@51.592,42.707 J10.12@51.599,42.7
pads on no net: J5.3 J7.3 J11.3 P2.3 P3.3 P4.3

## Polygon pours and split planes (outlines as drawn)
GND on Bottom Layer "GND_L02_P001" (solid, pour order 1): 3.4,49.7 3.4,3.5 72.4,3.5 72.4,49.7
+3V3 on Top Layer "+3V3_L01_P000" (solid, pour order 0): 3.4,49.7 3.4,3.5 72.4,3.5 72.4,49.7

## Keep-outs
Keep-Out Layer:
  the board outline again, w0.254

## Silkscreen, mask and mechanical layers (free items; w line width, h text height)
Top Overlay:
  text "5V" at 70.9,46.3 h0.7 r90
  text "12V" at 75,46 h0.7 r90
  text "PV" at 71,40 h0.7 r90
  text "3V" at 75,40 h0.7 r90
  text "PUMP 1" at 9.917,34.5 h0.7
  text "PUMP 2" at 9.8,26 h0.7
  text "TACK 2" at 62.2,23 h0.7
  text "PUMP 3" at 9.8,17.5 h0.7
  text "TACK 1" at 62.3,11 h0.7
  text "TEMPERATURE SENSOR" at 30.2,10.8 h0.7
  text "Fänger" at 68.167,9.9 h0.7 r90
  text "YELLOW" at 29.5,9.6 h0.7
  text "RED" at 35.7,9.6 h0.7
  text "BLACK" at 40.1,9.6 h0.7
  text "FLASHY SPOTTER" at 48.6,8 h0.7
  text "MOTOR" at 7.5,7.7 h0.7
  text "MOTOR" at 23.8,7.7 h0.7
  text "RED" at 8.2,6.5 h0.7
  text "BLACK" at 23.8,6.5 h0.7
Bottom Overlay:
  drawing of 9 lines, arcs and shapes, not listed
  text "SECTION E" at 61,46.5 h2.5
  text "v1.0" at 24.1,11.5 h2.5
  text "SMART BATTER" at 62.7,10 h2.5
  text "Originator: Pranav" at 24.3,7.922 h2